# Altium PCB PCB-ZB206B-0B.PcbDoc (part 4 of 7)
Units mm, origin at the board's own origin, x right, y up, seen from the top; angles counter-clockwise.
Board outline 366.51 x 137.86 mm, 2 copper layers (Top Layer, Bottom Layer); 583 components, 415 nets, 1779 pads, 4554 vias.
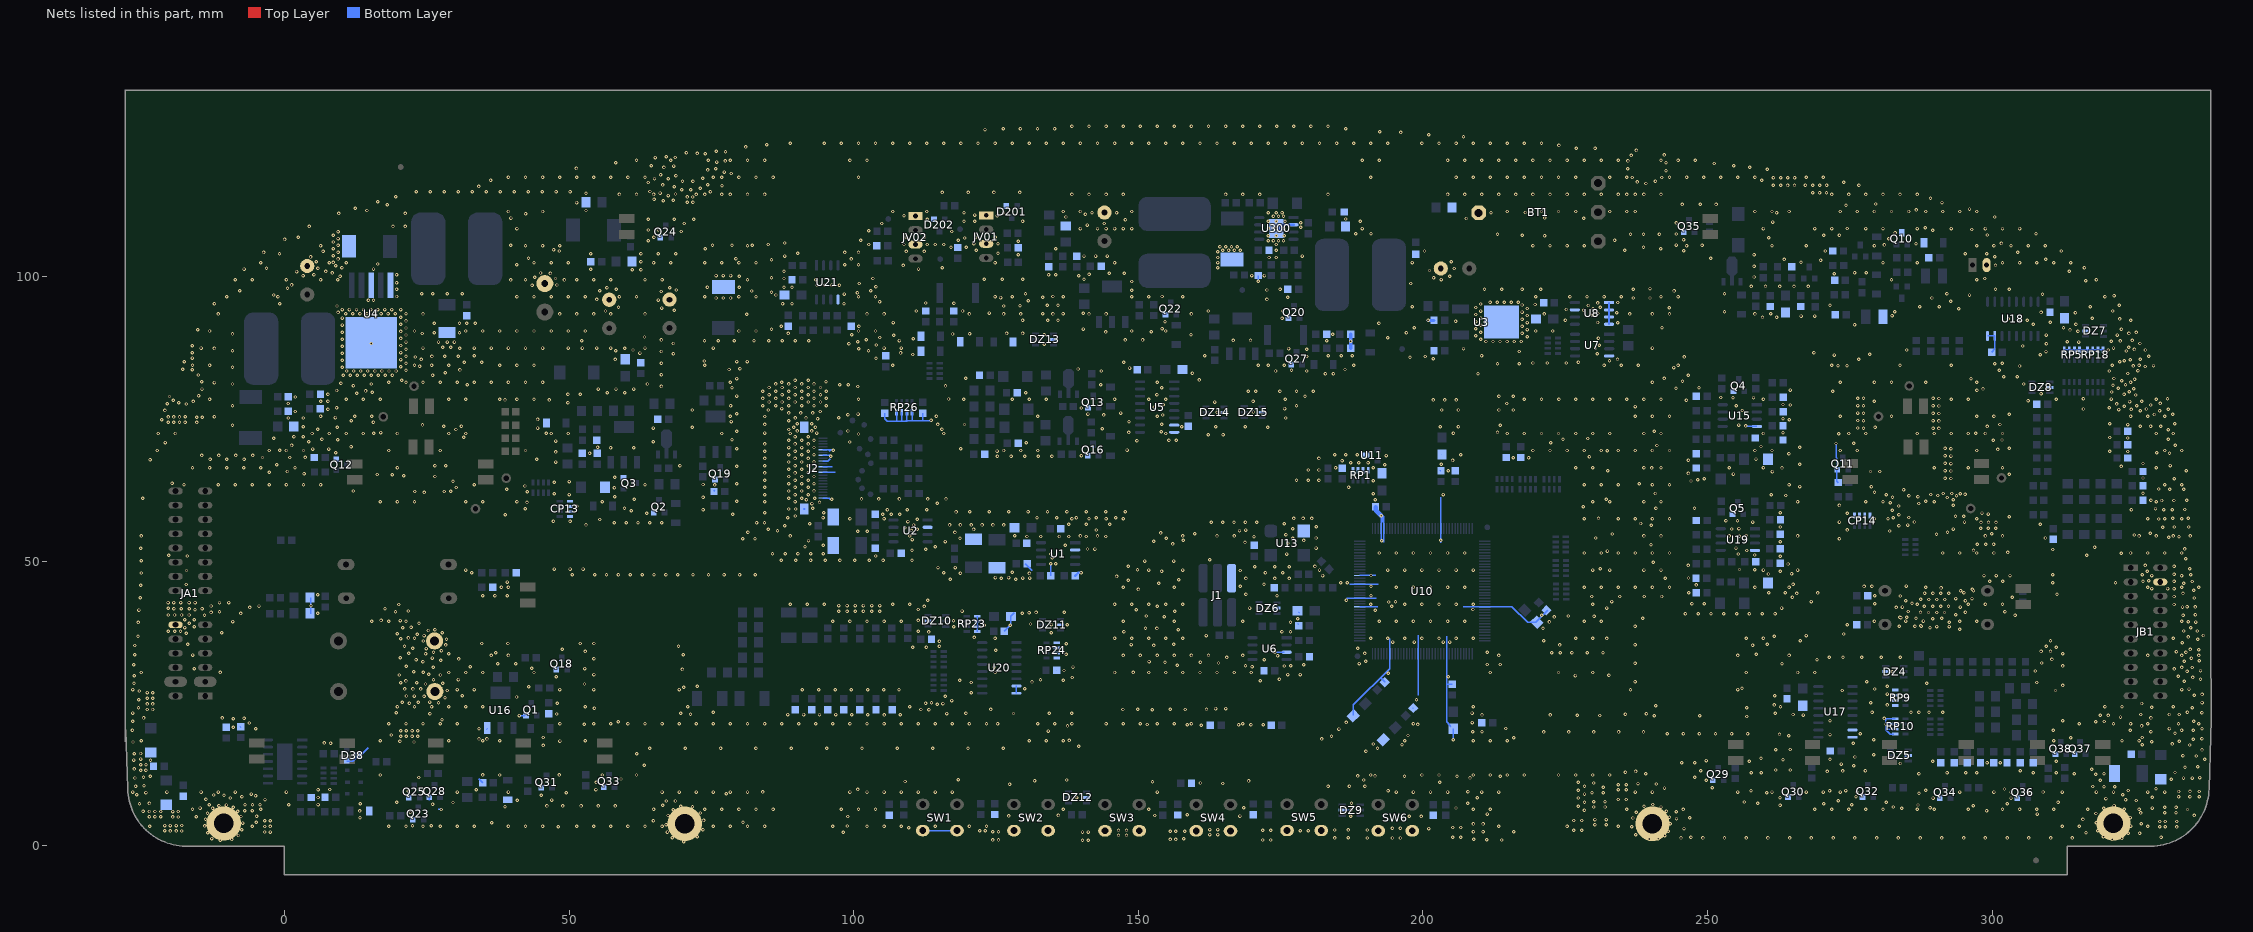
[diagram p4: the nets of this part, all layers, seen from the top]

## Via types
v1: diameter 0.6, hole 0.3, Top Layer to Bottom Layer, tented both sides, 4537 vias
v2: diameter 0.8, hole 0.3, Top Layer to Bottom Layer, 6 vias
v3: diameter 6, hole 3.4, Top Layer to Bottom Layer, 4 vias
v4: diameter 1, hole 0.5, Top Layer to Bottom Layer, tented both sides, 3 vias
v5: diameter 0.8, hole 0.4, Top Layer to Bottom Layer, 2 vias
v6: diameter 1, hole 0.3, Top Layer to Bottom Layer, 1 vias
v7: diameter 1, hole 0.5, Top Layer to Bottom Layer, 1 vias

## Nets (pads, with @x,y where several pads share a name; then routed paths per layer and width w, separated by ;. In a path a pad name is that pad's centre, name@x,y a point inside that pad or via, vN(x,y) a via of type N, cw(c..) or ccw(c..) an arc to the next point about the centre after c; other vN are vias at no path point) (continued)
GND: (continued)
  other v1: 70.13,0.71 -11.28,1.01 140.19,0.99 141.19,0.99 213.84,1.03 124.44,1.05 125.44,1.05 171.861,1.04 173.261,1.04 211.24,1.09 155.6,1.132 156.6,1.132 -9.28,1.14 321.1,1.14 208.93,1.17 239.78,1.2 241.35,1.26 -12.77,1.29 157.97,1.27 322.79,1.31 194.651,1.39 196.051,1.39 184.531,1.397 186.88,1.408 190.246,1.394 245.347,1.397 249.2,1.397 252.983,1.397 256.836,1.397 260.619,1.397 264.472,1.397 268.255,1.397 272.108,1.397 275.891,1.397 279.744,1.397 283.527,1.397 287.38,1.397 291.163,1.397 295.016,1.397 298.799,1.397 302.652,1.397 306.435,1.397 310.288,1.397 314.071,1.397 68.12,1.44 247.09,1.5 205.258,1.54 206.659,1.54 329.692,1.524 72.49,1.6 319.57,1.62 242.49,1.81 -8.1,1.83 146.52,1.84 147.92,1.84 237.38,1.96 162.569,1.99 163.97,1.99 325.92,2.2 323.91,2.23 316.5,2.29 -13.5,2.31 98.14,2.4 -2.51,2.43 67.27,2.43 140.19,2.43 141.19,2.43 -3.47,2.44 208.88,2.461 210.57,2.461 124.44,2.489 125.44,2.489 215.94,2.51 243.12,2.56 155.6,2.571 156.6,2.571 158.17,2.57 -20.06,2.63 -19.04,2.63 -18.07,2.62 -21.03,2.64 122.13,2.64 123.13,2.64 178.465,2.682 179.865,2.682 318.55,2.67 146.52,2.72 147.92,2.72 171.861,2.73 173.261,2.73 226.51,2.77 227.91,2.77 184.531,2.794 186.88,2.809 190.246,2.794 -7.5,2.84 73.51,2.86 162.569,2.87 163.97,2.87 245.87,3.04 201.041,3.048 194.651,3.08 196.051,3.08 109.69,3.2 205.258,3.23 206.659,3.23 48.1,3.34 330.44,3.34 332.43,3.33 236.72,3.37 329.47,3.35 -3.46,3.41 -2.52,3.42 -23.668,3.461 -5.668,3.461 18.332,3.461 21.332,3.461 24.332,3.461 27.332,3.461 30.332,3.461 33.332,3.461 39.332,3.461 42.332,3.461 45.332,3.461 51.332,3.461 54.332,3.461 57.332,3.461 60.332,3.461 63.332,3.461 66.332,3.461 75.332,3.461 78.332,3.461 81.332,3.461 84.332,3.461 96.332,3.461 102.332,3.461 105.332,3.461 108.332,3.461 114.332,3.461 120.332,3.461 123.332,3.461 213.332,3.461 225.332,3.461 234.332,3.461 312.332,3.461 315.332,3.461 327.332,3.461 98.85,3.49 324.35,3.48 -14.04,3.51 25.77,3.54 -21.03,3.57 -20.06,3.57 -19.05,3.57 22.479,3.556 -18.06,3.58 230.23,3.7 232.22,3.69 67.03,3.71 208.88,3.861 210.57,3.861 243.48,3.91 326.21,3.91 -7.37,4.01 36.38,4.07 318.28,4.06 80.54,4.14 -4.963,4.17 329.47,4.28 330.44,4.28 332.44,4.29 -3.46,4.43 -2.52,4.43 64.81,4.44 226.51,4.46 227.91,4.46 73.62,4.47 230.23,4.63 232.21,4.63 -13.89,4.66 315.96,4.65 244.55,4.8 13.25,4.92 236.9,4.9 246.89,4.94 324.28,4.98 243.33,5.05 -22.77,5.1 -21.75,5.1 -19.64,5.09 -18.67,5.08 -23.74,5.11 -15.49,5.12 -7.66,5.17 98.94,5.17 -4.92,5.2 197.61,5.2 199.69,5.18 187.325,5.207 167.85,5.24 127.23,5.27 130.94,5.31 67.38,5.34 135.97,5.35 152.908,5.334 335.53,5.35 158.623,5.461 211.31,5.59 307.94,5.59 318.25,5.69 -13.54,5.76 73.03,5.78 326.12,5.79 330.33,5.83 332.32,5.82 22.073,5.867 237.5,5.92 244.49,6 -19.65,6.03 -23.74,6.04 -22.77,6.04 -21.76,6.04 -18.66,6.04 242.79,6.07 -24.86,6.1 -8.21,6.11 13.233,6.147 -6.987,6.19 -5.673,6.19 299.04,6.18 228.38,6.27 68.28,6.37 334.33,6.39 245.72,6.41 323.2,6.43 -16.168,6.461 -4.168,6.461 64.832,6.461 73.832,6.461 76.832,6.461 79.832,6.461 82.832,6.461 85.832,6.461 97.832,6.461 100.832,6.461 103.832,6.461 136.832,6.461 151.832,6.461 208.832,6.461 211.832,6.461 235.832,6.461 268.832,6.461 271.832,6.461 274.832,6.461 277.832,6.461 280.832,6.461 286.832,6.461 289.832,6.461 295.832,6.461 301.832,6.461 304.832,6.461 307.832,6.461 310.832,6.461 316.832,6.461 325.832,6.461 -12.65,6.6 284.12,6.61 319.64,6.6 -14.84,6.65 205.816,6.655 328.13,6.65 168.5,6.69 289.11,6.69 330.33,6.77 -9,6.79 332.33,6.78 241.83,6.82 230.02,6.84 232.01,6.83 282.63,6.83 38.735,6.858 71.68,6.89 227.31,6.95 238.85,6.94 69.63,6.98 46.094,7.023 48.862,7.023 52.094,7.023 55.094,7.023 58.094,7.023 296.68,7.04 -11.53,7.07 321.44,7.08 66.46,7.13 262.75,7.14 -10.21,7.17 286.98,7.19 -13.23,7.21 -6.943,7.22 -5.63,7.22 -4.317,7.22 0.75,7.25 275.35,7.24 5.893,7.264 240.38,7.27 26.01,7.341 13.29,7.38 -25.48,7.39 270.42,7.4 302.66,7.39 -23.74,7.46 187.452,7.493 207.9,7.5 258.83,7.51 29.591,7.62 19.71,7.65 228.4,7.67 281.42,7.67 311.6,7.68 256.46,7.71 230.02,7.77 232,7.77 67.08,7.89 68.67,7.89 273,7.92 325.33,7.98 40.894,8.001 46.95,8.05 323.46,8.09 -3.43,8.14 234.329,8.15 235.73,8.15 -13.81,8.21 320.01,8.31 -9.56,8.41 227.29,8.42 289.636,8.407 303.327,8.407 139.21,8.45 209.525,8.458 262.738,8.458 5.893,8.509 328.15,8.54 276.098,8.611 332.77,8.62 334.76,8.61 336.4,8.63 -7.49,8.64 -5.09,8.79 -10.64,8.91 45.085,8.89 -12.46,8.94 -25.95,9 322.95,9.01 -5.83,9.11 228.4,9.11 77.61,9.17 287.17,9.23 49.479,9.347 229.71,9.36 231.7,9.35 260.43,9.36 -24.36,9.37 -26.668,9.461 -20.668,9.461 -14.668,9.461 -11.668,9.461 -8.668,9.461 0.332,9.461 30.332,9.461 39.332,9.461 66.332,9.461 69.332,9.461 72.332,9.461 75.332,9.461 78.332,9.461 81.332,9.461 99.332,9.461 102.332,9.461 105.332,9.461 108.332,9.461 111.332,9.461 114.332,9.461 117.332,9.461 153.332,9.461 195.332,9.461 198.332,9.461 201.332,9.461 204.332,9.461 210.332,9.461 213.332,9.461 237.332,9.461 240.332,9.461 255.332,9.461 261.332,9.461 267.332,9.461 270.332,9.461 273.332,9.461 276.332,9.461 294.332,9.461 300.332,9.461 303.332,9.461 306.332,9.461 312.332,9.461 318.332,9.461 321.332,9.461 327.332,9.461 330.332,9.461 84,9.48 207.91,9.49 308.96,9.47 332.77,9.56 334.77,9.57 336.4,9.56 21.717,9.601 257.65,9.67 271.45,9.67 193.878,9.677 274.29,9.72 323.93,9.74 288.33,9.77 227.31,9.8 234.329,9.84 235.73,9.84 33.655,9.855 5.893,9.881 54.71,9.9 7.925,9.906 100.69,9.92 302.18,9.99 328.803,10.033 242.45,10.16 250.85,10.236 231.69,10.29 319.659,10.414 321.564,10.414 317.71,10.44 -26.17,10.48 183.34,10.48 187.096,10.465 228.4,10.48 189.814,10.49 -24.7,10.59 234.329,10.72 235.73,10.72 127.38,10.83 241.02,10.88 237.79,10.95 164.86,10.97 160.909,11.049 229.997,11.049 54.76,11.15 202.95,11.17 227.31,11.19 152.49,11.27 109.02,11.31 169.37,11.41 131.775,11.43 249.809,11.557 319.024,11.557 137.414,11.582 189.586,11.582 118.364,11.633 331.47,11.684 59.106,11.76 -26.29,11.93 333.64,11.92 335.19,11.92 208.28,11.938 336.5,12 23.571,12.014 -24.78,12.07 247.777,12.065 205.994,12.217 -23.61,12.24 196.774,12.243 213.614,12.243 188.544,12.294 191.592,12.294 16.832,12.461 37.832,12.461 55.832,12.461 61.832,12.461 190.832,12.461 199.832,12.461 202.832,12.461 208.832,12.461 211.832,12.461 214.832,12.461 217.832,12.461 223.832,12.461 226.832,12.461 229.832,12.461 232.832,12.461 34.823,12.471 48.285,12.471 318.23,12.58 239.141,12.7 287.147,12.7 314.452,12.7 319.659,12.7 292.1,12.827 295.402,12.827 297.307,12.827 307.213,12.827 311.277,12.827 257.683,12.852 259.436,12.852 332.14,12.9 235.585,12.954 237.363,13.081 271.018,13.081 273.77,13.17 248.793,13.208 277.749,13.208 304.927,13.208 -25.29,13.27 -24.36,13.27 262.001,13.335 264.541,13.335 317.5,13.462 -26.4,13.52 333.9,13.84 336.12,13.89 275.717,14.097 63.221,14.148 -25.29,14.24 -24.35,14.24 273.49,14.38 283.896,14.478 245.491,14.605 247.777,14.605 299.125,14.605 301.447,14.605 289.56,14.859 311.277,14.859 257.353,14.884 249.809,14.986 -26.48,15.08 -23.546,15.062 263.271,15.113 -25.29,15.25 271.526,15.24 337.35,15.24 259.41,15.418 275.91,15.62 335.87,15.8 333.53,15.86 279.197,16.002 -26.42,16.17 61.9,16.205 -25.3,16.24 283.921,16.358 189.992,16.637 336.88,16.86 262.001,16.891 264.55,16.93 192.024,17.145 64.186,17.17 70.396,17.17 76.606,17.17 82.817,17.17 89.027,17.17 95.237,17.17 101.448,17.17 107.658,17.17 113.868,17.17 120.078,17.17 126.289,17.17 139.548,17.501 45.466,17.653 334.73,17.72 196.33,17.76 326.39,17.78 191.262,17.907 331.65,17.92 8.09,18.05 275.59,18.034 6.98,18.09 -26.62,18.26 22.74,18.26 328.041,18.288 20.27,18.38 332.9,18.39 48.387,18.415 -25.168,18.461 16.832,18.461 28.832,18.461 34.832,18.461 37.832,18.461 52.832,18.461 130.832,18.461 133.832,18.461 136.832,18.461 196.832,18.461 208.832,18.461 211.832,18.461 214.832,18.461 310.832,18.461 322.832,18.461 325.832,18.461 137.86,18.53 279.197,18.644 335.36,18.75 34.163,18.796 35.56,18.796 182.245,18.796 336.87,18.81 313.83,18.98 215.951,18.999 45.466,19.05 326.39,19.05 21.39,19.27 22.41,19.27 23.38,19.26 183.947,19.253 20.42,19.28 264.29,19.33 197.39,19.4 18.73,19.48 271.526,19.558 262.65,19.58 242.951,19.685 245.77,19.685 248.59,19.685 251.409,19.685 254.229,19.685 257.048,19.685 276.86,19.685 332.14,19.77 221.234,20.02 225.615,20.02 229.997,20.02 234.379,20.02 238.76,20.02 208.77,20.04 210.388,20.041 327.914,20.066 134.16,20.17 20.42,20.21 21.39,20.21 22.4,20.21 23.39,20.22 -26.73,20.3 324.29,20.3 333.3,20.3 335.37,20.3 310.769,20.32 185.242,20.523 -5.08,20.574 34.163,20.574 331.16,20.61 336.88,20.6 214.579,20.625 -9.017,20.828 137.56,21.08 326.263,21.082 161.036,21.209 167.615,21.26 169.786,21.26 171.958,21.26 158.62,21.28 151.55,21.33 199.085,21.336 52.68,21.36 125.273,21.438 18.332,21.461 21.332,21.461 24.332,21.461 27.332,21.461 30.332,21.461 48.387,21.463 54.332,21.461 57.332,21.461 60.332,21.461 63.332,21.461 66.332,21.461 69.332,21.461 72.332,21.461 75.332,21.461 78.332,21.461 81.332,21.461 84.332,21.461 87.332,21.461 90.332,21.461 93.332,21.461 96.332,21.461 99.332,21.461 102.332,21.461 105.332,21.461 108.332,21.461 111.332,21.461 114.332,21.461 117.332,21.461 120.332,21.461 123.332,21.461 132.332,21.461 135.332,21.461 138.332,21.461 144.332,21.461 147.332,21.461 150.332,21.461 153.332,21.461 156.332,21.461 159.332,21.461 168.332,21.461 198.332,21.461 315.332,21.461 321.332,21.461 324.332,21.461 327.332,21.461 332.76,21.48 336.332,21.461 -6.223,21.59 186.512,21.692 58.61,21.82 318.24,21.83 319.71,21.85 -26.68,21.91 335.46,21.9 271.526,21.971 312.42,21.971 27.66,22.16 -9.017,22.352 281.06,22.4 -7.108,22.427 -24.765,22.479 -10.922,22.479 327.914,22.479 322.57,22.63 256.921,22.733 240.665,22.86 248.641,22.86 231.09,22.91 320.39,22.92 227.14,22.95 318.99,22.94 266.827,22.987 105.35,23.01 108.19,23.03 210.388,23.012 222.352,23.012 99.63,23.05 88.392,23.07 91.186,23.07 93.98,23.07 96.84,23.07 102.48,23.06 265.04,23.08 326.136,23.081 331.16,23.081 332.87,23.09 71.32,23.11 235.585,23.114 47.83,23.18 25.54,23.23 116.32,23.25 239.268,23.241 128.067,23.266 69.6,23.31 138.303,23.292 261.9,23.29 119.71,23.33 134.341,23.317 -26.68,23.34 208.64,23.34 19.62,23.37 336.87,23.39 334.32,23.46 75.311,23.495 278.917,23.495 285.75,23.495 287.147,23.495 288.925,23.495 291.338,23.495 113.21,23.94 152.46,23.94 -24.12,23.97 -23.19,23.97 111.81,23.96 147.3,23.96 158.23,23.96 124.079,23.978 161.98,23.98 149.89,24 155.59,24.03 163.576,24.13 165.354,24.13 54.44,24.17 256.921,24.257 -25.66,24.28 335.18,24.29 328.041,24.384 19.832,24.461 22.832,24.461 25.832,24.461 28.832,24.461 31.832,24.461 34.832,24.461 52.832,24.461 70.832,24.461 109.832,24.461 208.832,24.461 262.832,24.461 319.832,24.461 322.832,24.461 331.832,24.461 240.919,24.638 261.747,24.765 281.559,24.765 114.66,24.9 -24.12,24.94 -23.18,24.94 115.67,25.01 326.263,25.019 112.62,25.04 21.94,25.08 47.92,25.07 113.67,25.14 27.051,25.146 278.663,25.146 336.9,25.18 20.66,25.23 23.47,25.23 25.527,25.273 117.221,25.527 198.882,25.654 -25.6,25.7 -24.12,25.95 -23.18,25.96 28.194,26.035 40.767,26.162 24.511,26.289 116.078,26.289 22.79,26.32 21.41,26.34 31.24,26.37 261.83,26.38 335.54,26.45 336.9,26.61 281.559,26.67 -24.13,26.94 -23.17,26.93 120.65,26.924 -25.55,27.21 28.575,27.305 273.685,27.305 311.15,27.305 90.932,27.432 93.853,27.432 96.774,27.432 99.568,27.432 102.489,27.432 105.283,27.432 107.95,27.432 236.474,27.432 -26.668,27.461 30.332,27.461 33.332,27.461 48.332,27.461 54.332,27.461 69.332,27.461 255.332,27.461 333.332,27.461 334.6,27.55 279.4,27.559 21.11,27.58 22.55,27.58 23.92,27.58 130.073,27.635 256.06,27.71 70.12,27.86 42.926,27.94 72.517,28.067 281.559,28.067 312.42,28.194 24.765,28.448 52.705,28.448 27.813,28.575 288.544,28.575 -26.45,28.6 20.39,28.67 23.24,28.67 120.65,28.702 307.848,28.702 131.318,28.804 237.275,28.829 278.003,28.829 333.77,28.91 21.33,28.98 171.43,29.01 118.618,29.083 136.804,29.108 132.81,29.2 26.162,29.21 30.55,29.22 174.79,29.27 336.62,29.29 138.379,29.591 335.28,29.6 47.752,29.718 204.47,29.718 332.69,29.83 -26.43,29.89 226.8,29.92 232.69,29.97 20.14,30.02 27.39,30.02 54.356,30.099 176.276,30.099 178.435,30.099 25.34,30.17 193.929,30.353 -25.168,30.461 28.832,30.461 31.832,30.461 34.832,30.461 43.832,30.461 124.832,30.461 145.832,30.461 151.832,30.461 154.832,30.461 157.832,30.461 160.832,30.461 163.832,30.461 166.832,30.461 169.832,30.461 211.832,30.461 223.832,30.461 229.832,30.461 256.832,30.461 265.832,30.461 268.832,30.461 -11.303,30.48 149.1,30.48 24.35,30.51 22.72,30.62 282.448,30.607 334.26,30.66 307.594,30.734 336.62,30.8 136.95,30.82 69.9,31 332.02,31.09 -15.875,31.115 52.75,31.15 43.42,31.21 333.34,31.36 335.16,31.34 26.13,31.37 124.71,31.42 138.532,31.42 32.64,31.48 169.99,31.5 21.37,31.56 175.63,31.61 312.42,31.623 168.84,31.65 176.8,31.65 156.845,31.75 179.08,31.81 -26.48,31.84 211.328,31.877 213.614,31.877 263.1,31.98 37.465,32.004 40.64,32.004 188.83,32.03 237.275,32.089 164.084,32.131 308.737,32.131 154.686,32.258 160.909,32.258 24.31,32.35 151.892,32.385 189.95,32.43 333.75,32.43 336.42,32.54 27.46,32.61 172.11,32.69 23.11,32.73 269.24,32.73 310.515,32.766 30.58,32.85 54.356,32.893 335.03,32.98 25.96,33 20.35,33.07 165.53,33.11 271.399,33.147 273.812,33.147 277.114,33.147 280.543,33.147 283.845,33.147 174.47,33.39 36.332,33.461 39.332,33.461 147.332,33.461 150.332,33.461 153.332,33.461 156.332,33.461 159.332,33.461 162.332,33.461 168.332,33.461 213.332,33.461 255.332,33.461 264.332,33.461 327.332,33.461 333.332,33.461 336.332,33.461 -16.129,33.528 -26.34,33.57 70.03,33.57 258.572,33.655 137.312,33.68 24.78,33.76 28.829,33.782 312.42,33.782 189.77,33.82 21.8,33.85 37.084,33.909 222.631,33.909 224.155,33.909 226.187,33.909 228.854,33.909 231.648,33.909 334.06,34.02 26.162,34.036 211.328,34.036 332.39,34.13 52.832,34.163 308.61,34.163 310.261,34.163 27.559,34.29 124.96,34.35 336.29,34.48 334.84,34.52 48.768,34.544 24.892,34.671 188.58,34.71 22.51,34.74 110.363,34.925 112.776,34.925 311.277,34.925 69.215,35.052 115.062,35.052 309.499,35.052 21.08,35.09 -26.34,35.21 152.7,35.22 257.92,35.27 28.321,35.306 224.028,35.306 237.275,35.348 148.74,35.37 -17.018,35.433 156.21,35.433 260.477,35.433 137.338,35.509 34.671,35.56 39.243,35.56 51.943,35.56 54.356,35.56 333.41,35.71 194.691,35.814 198.501,35.814 203.581,35.814 204.724,35.814 115.062,35.941 24.384,36.006 221.234,36.068 266.319,36.068 310.261,36.068 336.14,36.31 28.448,36.322 20.43,36.4 22.832,36.461 124.832,36.461 145.832,36.461 148.832,36.461 151.832,36.461 154.832,36.461 157.832,36.461 190.832,36.461 193.832,36.461 196.832,36.461 199.832,36.461 202.832,36.461 205.832,36.461 208.832,36.461 226.832,36.461 229.832,36.461 232.283,36.449 256.832,36.461 259.832,36.461 331.832,36.461 21.76,36.54 121.2,36.63 334.46,36.71 -25.75,36.81 261.747,36.83 24.511,36.957 161.925,36.957 267.335,36.957 337.14,36.96 23.3,37.21 273.92,37.23 19.78,37.28 -17.272,37.338 134.68,37.44 -11.049,37.465 27.686,37.465 113.157,37.592 147.47,37.61 175.235,37.643 176.733,37.643 -20.447,37.719 -19.304,37.719 -18.288,37.719 111.35,37.719 333.66,37.76 336.07,37.76 25.273,37.846 157.03,37.95 26.416,37.973 294.34,38.08 153.27,38.21 151.257,38.227 221.107,38.227 20.76,38.32 289.1,38.34 334.93,38.33 -17.526,38.354 22.23,38.4 -15.875,38.481 117.55,38.48 290.27,38.53 292.47,38.53 283.67,38.6 286.45,38.6 287.55,38.6 237.275,38.608 287.49,38.66 122.94,38.78 127.5,38.76 134.73,38.88 137.541,38.862 274.574,38.862 131.064,38.989 -16.764,39.116 23.622,39.116 -25.7,39.26 176.733,39.268 292.47,39.31 335.8,39.32 222.23,39.35 334.48,39.37 -9.08,39.41 15.332,39.461 18.332,39.461 21.332,39.461 96.332,39.461 99.332,39.461 102.332,39.461 105.332,39.461 108.332,39.461 147.332,39.461 156.332,39.461 168.332,39.461 192.332,39.461 195.332,39.461 198.332,39.461 201.332,39.461 204.332,39.461 207.332,39.461 228.332,39.461 231.332,39.461 279.332,39.461 294.332,39.461 297.332,39.461 333.332,39.461 284.83,39.5 287.94,39.5 20.33,39.59 16.96,39.61 111.35,39.61 -17.526,39.751 -15.875,39.751 289.56,39.89 178.03,39.903 238.633,40.005 286.64,40.02 291.17,40.02 283.99,40.08 283.8,40.15 285.03,40.15 223.1,40.23 154.559,40.259 230.08,40.37 151.384,40.386 225.552,40.386 -14.06,40.52 220.87,40.53 304.038,40.513 333.56,40.54 -20.41,40.56 -19.32,40.56 -18.09,40.56 -16.77,40.56 293.63,40.6 335.73,40.61 246.126,40.767 248.376,40.767 250.625,40.767 252.875,40.767 255.125,40.767 257.375,40.767 259.624,40.767 261.874,40.767 -7.7,40.84 5.842,40.869 129.6,40.89 130.81,40.95 288.83,41 290.27,41 291.64,41 -12.91,41.02 132.04,41.02 287.43,41.02 136.982,41.046 295.32,41.05 -11.43,41.145 19.49,41.15 302.26,41.148 285.29,41.18 97.39,41.22 98.83,41.22 100.269,41.22 101.709,41.22 103.149,41.22 104.588,41.22 119.04,41.26 156.41,41.25 21.717,41.275 191.643,41.402 -25.59,41.432 -15.74,41.51 149.66,41.5 111.35,41.54 208.788,41.529 -19.44,41.65 -18.15,41.65 -16.73,41.65 -14.49,41.66 17.653,41.656 -20.43,41.73 172.74,41.768 169.545,41.783 232.283,41.783 263.017,41.783 -6.12,41.9 283.15,41.9 284.25,41.96 294.41,41.96 333.46,41.96 335.69,41.99 334.26,42.02 112.39,42.07 153.33,42.08 288.11,42.09 290.96,42.09 292.35,42.09 194.55,42.12 289.58,42.11 -12.91,42.15 -4.49,42.14 4.64,42.2 97.39,42.22 98.83,42.22 100.269,42.22 101.709,42.22 103.149,42.22 104.588,42.22 20.066,42.418 331.978,42.418 88.832,42.461 91.832,42.461 94.832,42.461 106.832,42.461 109.832,42.461 145.832,42.461 148.832,42.461 151.832,42.461 154.832,42.461 157.832,42.461 190.832,42.461 196.832,42.461 199.832,42.461 202.832,42.461 205.832,42.461 208.832,42.461 229.832,42.461 286.832,42.461 295.832,42.461 298.832,42.461 301.832,42.461 247.269,42.545 249.428,42.545 279.4,42.545 285.93,42.61 -20.47,42.745 -19.46,42.745 -18.25,42.745 -16.78,42.745 -15.72,42.745 -11.43,42.745 -9.779,42.745 194.02,42.85 195.19,42.9 233.172,42.926 268.224,42.926 284.83,43.06 295.32,43.06 113.03,43.18 186.563,43.18 288.86,43.29 290.3,43.29 291.67,43.29 287.46,43.31 293.63,43.45 296.48,43.45 335.54,43.55 -25.36,43.603 264.922,43.688 303.53,43.688 229.65,43.81 234.569,43.815 238.887,43.815 241.935,43.815 331.978,43.815 283.86,43.9 34.798,43.942 36.957,43.942 39.116,43.942 174.371,43.942 190.881,43.942 279.4,43.942 5.842,44.12 168.91,44.196 311.404,44.196 265.67,44.36 333.55,44.36 288.14,44.38 290.99,44.38 292.38,44.38 289.61,44.4 263.68,44.46 269.367,44.45 246.685,44.475 295.06,44.48 260.756,44.501 294.47,44.81 296.74,44.81 335.41,44.94 150.02,45.06 296.54,45.07 331.98,45.18 328.041,45.212 330.835,45.212 291.04,45.32 38.1,45.466 39.332,45.461 147.332,45.461 156.332,45.461 195.332,45.461 198.332,45.461 201.332,45.461 204.332,45.461 207.332,45.461 228.332,45.461 231.332,45.461 234.332,45.461 237.332,45.461 240.332,45.461 243.332,45.461 258.332,45.461 264.332,45.461 288.332,45.461 327.332,45.461 333.332,45.461 336.332,45.461 167.894,45.593 190.881,45.593 277.51,45.59 278.892,45.593 284.9,45.65 -25.25,45.775 248.031,45.847 -17.247,45.923 172.085,45.974 265.04,45.97 153.57,46.17 333.66,46.15 185.547,46.228 186.69,46.228 310.642,46.228 321.691,46.228 39.116,46.355 335.16,46.45 299.593,46.482 301.879,46.482 326.517,46.482 331.978,46.482 327.533,46.609 148.22,46.69 157.08,46.76 116.967,46.863 128.47,46.87 168.91,46.99 173.99,46.99 176.53,46.99 242.6,47.02 125.9,47.04 129.68,47.06 130.95,47.06 246.659,47.066 124.9,47.14 127.21,47.14 146.177,47.346 333.3,47.45 182.372,47.498 298.577,47.498 300.736,47.498 303.149,47.498 328.041,47.498 50.546,47.625 54.483,47.625 56.569,47.625 58.656,47.625 60.742,47.625 62.829,47.625 64.915,47.625 67.002,47.625 69.088,47.625 71.755,47.625 74.486,47.625 77.216,47.625 79.947,47.625 82.677,47.625 310.642,47.625 326.39,47.625 334.92,47.64 331.978,47.752 260.706,47.777 264.77,47.84 130.87,47.87 118.745,47.879 -25.2,47.946 32.893,48.006 115.824,48.006 172.339,48.006 175.387,48.006 127.85,48.09 154.09,48.25 262.763,48.26 327.279,48.26 -17.221,48.387 167.894,48.387 31.832,48.461 151.832,48.461 157.832,48.461 181.832,48.461 193.832,48.461 196.832,48.461 199.832,48.461 202.832,48.461 205.832,48.461 208.832,48.461 229.832,48.461 232.832,48.461 238.832,48.461 241.832,48.461 259.832,48.461 265.832,48.461 149.86,48.514 258.318,48.514 255.626,48.565 47.371,48.641 50.165,48.641 52.451,48.641 231.17,48.67 334.75,48.68 114.808,48.895 117.856,48.895 170.434,49.022 173.99,49.022 176.53,49.022 181.03,49.1 148.209,49.149 331.978,49.149 246.634,49.276 326.898,49.276 264.16,49.53 135.49,49.58 240.46,49.83 151.13,50.038 156.21,50.038 -25.2,50.118 87.249,50.165 89.831,50.165 92.414,50.165 94.996,50.165 97.578,50.165 100.161,50.165 102.743,50.165 105.156,50.165 110.236,50.165 162.56,50.292 334.03,50.44 134.87,50.65 262.763,50.876 -17.094,50.927 103.886,50.927 316.611,51.067 -20.371,51.079 258.318,51.105 176.09,51.27 134.62,51.29 255.397,51.285 85.725,51.308 87.96,51.308 90.195,51.308 92.431,51.308 94.666,51.308 322.707,51.435 192.332,51.461 195.332,51.461 198.332,51.461 201.332,51.461 204.332,51.461 207.332,51.461 228.332,51.461 231.332,51.461 234.332,51.461 237.332,51.461 240.332,51.461 243.332,51.461 291.332,51.461 294.332,51.461 297.332,51.461 300.332,51.461 324.332,51.461 327.332,51.461 330.332,51.461 333.332,51.461 302.768,51.562 232.42,51.8 256.896,51.892 296.74,51.91 110.236,51.943 310.642,52.07 112.649,52.095 142.38,52.15 141.07,52.17 333.83,52.18 -25.273,52.29 181.229,52.324 255.016,52.324 318.008,52.451 91.44,52.578 114.3,52.578 94.666,52.832 137.16,52.832 240.08,52.89 297.42,52.98 298.89,53 300.27,52.98 156.07,53.05 176.25,53.17 168.74,53.32 262.763,53.416 116.078,53.467 152.72,53.53 192.786,53.594 92.05,53.645 179.045,53.67 157.89,53.72 110.298,53.818 82.652,53.95 80.518,53.975 273.177,53.975 154.92,54.04 118.669,54.077 177.114,54.077 181.229,54.102 230.36,54.1 309.372,54.102 331.04,54.23 170.332,54.305 332.84,54.32 130.429,54.356 132.842,54.356 136.144,54.356 137.795,54.356 140.843,54.356 144.272,54.356 255.61,54.38 -25.168,54.461 88.832,54.461 109.832,54.461 139.832,54.461 142.832,54.461 157.832,54.461 163.832,54.461 166.832,54.461 238.832,54.461 241.832,54.461 253.832,54.461 256.832,54.461 265.832,54.461 298.832,54.461 301.832,54.461 325.832,54.461 328.832,54.461 331.832,54.461 334.832,54.461 128.27,54.483 324.99,54.63 175.94,54.69 290.24,54.78 233.28,54.8 159.94,54.82 299.95,54.86 327.81,54.94 153.924,54.991 117.78,55.08 81.407,55.118 292.17,55.13 102.362,55.27 100.711,55.296 282.03,55.33 86.614,55.372 167.78,55.4 110.098,55.428 168.86,55.49 142.621,55.499 274.574,55.519 121.056,55.601 84.963,55.626 111.15,55.626 254.27,55.67 293.16,55.66 177.114,55.728 255.524,55.753 298.017,55.8 299.33,55.8 300.643,55.8 108.938,55.878 329.98,56 262.763,56.032 332.01,56.03 334.58,56.03 181.24,56.06 283.64,56.25 87.884,56.261 240.13,56.32 110.518,56.368 285.17,56.37 52.959,56.388 116.84,56.388 118.745,56.388 120.65,56.388 122.555,56.388 124.46,56.388 126.365,56.388 144.99,56.5 137.795,56.515 140.843,56.515 308.483,56.515 175.65,56.6 92.278,56.617 238.25,56.64 57.939,56.769 60.016,56.769 62.093,56.769 64.169,56.769 66.246,56.769 82.931,56.769 84.328,56.769 298.06,56.83 299.373,56.83 300.687,56.83 162.82,56.87 164.819,56.87 166.817,56.87 168.816,56.87 170.815,56.87 295.15,56.89 257.937,56.896 273.177,56.896 286.36,56.91 109.528,56.978 47.244,57.023 50.165,57.023 253.238,57.15 255.27,57.15 55.372,57.35 111.15,57.408 329.3,57.43 99.332,57.461 105.332,57.461 138.332,57.461 141.332,57.461 144.332,57.461 147.332,57.461 228.332,57.461 234.332,57.461 237.332,57.461 240.332,57.461 243.332,57.461 279.332,57.461 297.332,57.461 327.332,57.461 330.332,57.461 333.332,57.461 281.71,57.49 177.292,57.531 178.943,57.531 180.467,57.531 230.86,57.53 331.72,57.57 334.49,57.57 282.64,57.65 88.392,57.658 94.615,57.658 132.207,57.658 135.668,57.658 139.129,57.658 142.589,57.658 146.05,57.658 285.37,57.7 303.022,57.842 293.57,57.94 295.03,57.94 89.738,57.963 283.64,58.17 38.76,58.19 105.092,58.243 106.585,58.243 108.077,58.243 78.74,58.293 299.35,58.3 63.652,58.42 274.574,58.42 298.23,58.48 84.378,58.557 94.742,58.547 262.788,58.547 117.983,58.674 120.396,58.73 123.809,58.73 127.222,58.73 130.635,58.73 134.048,58.73 137.462,58.73 140.875,58.73 144.288,58.73 147.701,58.73 60.9,58.89 282.45,58.99 73.533,59.06 105.918,59.055 109.385,59.055 112.852,59.055 324.485,59.055 330.15,59.05 331.64,59.05 333.83,59.11 88.569,59.192 89.839,59.195 42.29,59.25 328.71,59.27 59.72,59.3 92.786,59.309 240.94,59.32 247.72,59.34 228.18,59.61 51.308,59.69 283.62,59.72 273.177,59.817 293.16,59.87 92.659,60.147 287.14,60.16 114.681,60.198 282.09,60.3 42.59,60.35 93.98,60.35 84.378,60.441 89.698,60.442 16.832,60.461 19.832,60.461 22.832,60.461 31.832,60.461 34.832,60.461 40.832,60.461 55.832,60.461 229.832,60.461 232.832,60.461 238.832,60.461 241.832,60.461 265.832,60.461 277.832,60.461 280.832,60.461 289.832,60.461 328.832,60.461 79.45,60.55 288.37,60.57 329.78,60.68 331.95,60.68 327.914,60.706 334.23,60.71 293.16,60.8 91.694,60.808 191.643,60.833 61.45,60.88 96.139,60.884 232.2,60.89 101.371,60.96 104.394,60.96 108.026,60.96 113.03,60.96 116.205,60.96 88.569,61.076 90.855,61.077 -24.892,61.087 93.141,61.088 292.11,61.21 282.51,61.25 73.533,61.28 286.97,61.33 58.039,61.341 285.39,61.5 293.75,61.5 290.47,61.56 263.754,61.57 261.188,61.671 281.4,61.68 84.378,61.714 89.698,61.715 91.998,61.715 50.038,61.722 203.581,61.722 289.24,61.74 295.26,61.8 47.371,61.849 191.262,61.849 294.39,61.85 240.85,61.91 291.41,61.91 292.93,61.91 326.517,61.976 24.55,62.1 279.34,62.14 42.62,62.2 22.85,62.26 28.04,62.26 29.21,62.33 88.569,62.349 90.855,62.35 12.065,62.357 93.014,62.367 284.45,62.56 39.02,62.64 331.22,62.67 333.67,62.67 329.29,62.71 57.961,62.946 30.19,62.97 84.378,62.987 89.698,62.987 91.998,62.987 186.944,62.992 266.2,63.13 278.8,63.12 42.23,63.23 75.565,63.42 -17.668,63.461 -11.668,63.461 -8.668,63.461 -5.668,63.461 -2.668,63.461 0.332,63.461 3.332,63.461 6.332,63.461 33.332,63.461 63.332,63.461 228.332,63.461 231.332,63.461 234.332,63.461 240.332,63.461 243.332,63.461 264.332,63.461 330.332,63.461 333.332,63.461 73.533,63.5 79.45,63.63 88.569,63.622 90.855,63.622 93.014,63.637 237.99,63.64 -19.761,63.703 47.371,63.881 50.038,64.008 29.59,64.07 247.1,64.11 191.262,64.135 84.378,64.26 89.698,64.26 91.998,64.26 177.8,64.262 179.832,64.262 181.737,64.262 248.27,64.35 332.01,64.48 249.45,64.52 292.77,64.547 291.74,64.59 326.517,64.636 58.039,64.77 26.416,64.897 88.569,64.895 90.855,64.895 93.014,64.907 20.95,65.02 18.94,65.21 16.31,65.25 303.022,65.278 254.56,65.33 3.429,65.405 246.65,65.44 84.378,65.533 89.698,65.533 91.998,65.533 -2.667,65.659 261.41,65.77 0.508,65.786 278.638,65.786 280.289,65.786 292.77,65.86 291.74,65.903 204.47,65.913 232.5,65.92 334.137,65.913 179.832,66.04 181.737,66.04 88.569,66.168 90.855,66.168 93.014,66.186 240.22,66.41 263.09,66.41 184.66,66.421 191.262,66.421 -16.168,66.461 -13.168,66.461 -10.168,66.461 -7.168,66.461 -4.168,66.461 1.832,66.461 19.832,66.461 226.832,66.461 229.832,66.461 238.832,66.461 241.832,66.461 253.832,66.461 259.832,66.461 289.832,66.461 295.832,66.461 301.832,66.461 328.832,66.461 322.707,66.675 79.45,66.71 26.416,66.802 28.321,66.802 69.469,66.802 84.378,66.806 89.698,66.806 91.998,66.806 331.33,66.82 193.294,66.956 -1.35,66.98 203.2,67.056 266.2,67.07 292.77,67.173 326.517,67.183 291.74,67.217 187.325,67.31 188.722,67.31 190.373,67.31 47.625,67.437 88.569,67.441 90.855,67.441 93.014,67.456 185.801,67.691 205.21,67.72 246.65,67.76 -23.622,67.818 -13.081,67.945 -10.16,67.945 -7.112,67.945 44.323,67.945 258.52,67.96 84.378,68.079 89.698,68.079 91.998,68.079 181.737,68.072 215.9,68.199 218.567,68.199 -3.87,68.24 0.92,68.24 3.632,68.25 229.26,68.35 95.961,68.453 125.247,68.45 127.641,68.45 130.035,68.45 132.429,68.45 134.823,68.45 292.77,68.487 140.005,68.529 291.74,68.53 -14.567,68.598 -11.567,68.598 -8.567,68.598 -5.567,68.598 193.548,68.58 88.569,68.714 90.855,68.714 93.014,68.726 184.531,68.707 186.436,68.707 188.468,68.707 206.629,68.707 264.31,68.88 53.594,68.961 331.18,69 9.017,69.088 328.93,69.088 47.625,69.215 323.85,69.298 84.378,69.352 89.698,69.352 91.998,69.352 320.675,69.342 125.19,69.37 232.4,69.43 -2.668,69.461 0.332,69.461 3.332,69.461 18.332,69.461 27.332,69.461 42.332,69.461 126.332,69.461 129.332,69.461 132.332,69.461 219.332,69.461 222.332,69.461 225.332,69.461 228.332,69.461 231.332,69.461 234.332,69.461 237.332,69.461 240.332,69.461 243.332,69.461 258.332,69.461 261.332,69.461 273.332,69.461 276.332,69.461 297.332,69.461 330.332,69.461 333.332,69.461 -22.352,69.469 -0.84,69.5 96.393,69.52 148.031,69.545 301.01,69.66 4.953,69.723 7.747,69.723 79.45,69.79 118.796,69.774 292.77,69.8 291.74,69.843 303.022,69.842 57.277,69.977 61.341,69.977 88.569,69.987 90.855,69.987 93.014,70.002 54.991,70.03 266.2,70.05 11.684,70.104 259.4,70.17 241.12,70.35 1.23,70.36 332.18,70.41 84.378,70.625 89.698,70.625 91.998,70.625 272.58,70.7 275.7,70.73 130.302,70.815 222.46,70.83 -20.955,70.866 99.314,70.968 64.77,70.993 4.25,71.02 47.625,71.12 149.758,71.196 88.569,71.26 90.855,71.26 300.2,71.25 93.014,71.272 155.38,71.29 156.65,71.29 301.75,71.32 9.35,71.37 78.613,71.374 224.62,71.42 6.57,71.47 330.95,71.45 228.97,71.58 -1.905,71.628 323.85,71.66 320.675,71.755 31.5,71.81 1.651,71.882 3.302,71.882 89.698,71.898 91.998,71.898 162.29,72.23 164.897,72.212 100.838,72.365 273.04,72.4 -22.168,72.461 -19.168,72.461 4.832,72.461 7.832,72.461 10.832,72.461 13.832,72.461 15.69,72.48 19.832,72.461 28.832,72.461 31.832,72.461 46.832,72.461 49.832,72.461 76.832,72.461 88.832,72.461 115.832,72.461 154.832,72.461 214.832,72.461 217.832,72.461 220.832,72.461 223.832,72.461 226.832,72.461 229.832,72.461 232.832,72.461 238.832,72.461 241.832,72.461 259.832,72.461 274.832,72.461 277.832,72.461 286.832,72.461 289.832,72.461 292.832,72.461 295.832,72.461 298.832,72.461 301.832,72.461 328.832,72.461 331.832,72.461 45.974,72.517 84.378,72.527 93.522,72.527 205.359,72.517 297.11,72.52 263.271,72.568 16.88,72.62 148.336,72.644 213.106,72.644 154.05,72.74 79.45,72.87 240.64,72.87 90.093,72.908 92.633,72.908 98.984,72.898 330.95,73.11 30.11,73.16 88.569,73.162 5.82,73.19 115.5,73.2 143.662,73.304 290.66,73.347 277.41,73.377 289.63,73.39 44.45,73.406 64.77,73.406 276.38,73.42 71.628,73.533 89.458,73.543 93.268,73.534 172.72,73.533 279.45,73.54 9.26,73.56 163.601,73.635 3.302,73.66 157.63,73.66 168.783,73.66 203.073,73.66 206.248,73.66 299.17,73.7 31.08,73.72 326.037,73.73 327.844,73.73 329.65,73.73 27.95,73.75 -9.144,73.914 213.614,73.914 255.51,73.94 24.24,73.96 301.38,74.03 323.85,74.023 84.378,74.051 114.75,74.05 119.456,74.041 154.1,74.07 90.093,74.178 92.633,74.178 320.675,74.168 332.105,74.168 -15.41,74.4 -20.44,74.44 -19.47,74.43 -18.45,74.43 -17.48,74.42 15.61,74.44 148.36,74.54 78.486,74.549 290.66,74.66 88.569,74.686 277.41,74.69 11.72,74.7 289.63,74.703 276.38,74.733 -21.6,74.86 264.37,74.89 44.45,74.93 93.649,75.067 263.271,75.057 0.635,75.184 3.302,75.184 89.712,75.194 91.617,75.194 175.895,75.184 97.358,75.209 8.94,75.25 -15.41,75.33 -14.44,75.33 -20.44,75.37 -19.47,75.37 -18.46,75.37 -17.47,75.38 -12.319,75.407 84.378,75.439 6.332,75.461 12.332,75.461 15.332,75.461 78.332,75.461 132.332,75.461 153.332,75.461 237.332,75.461 240.332,75.461 243.332,75.461 273.332,75.461 282.332,75.461 297.332,75.461 300.332,75.461 324.332,75.461 327.332,75.461 330.332,75.461 114.53,75.49 154.28,75.7 143.942,75.717 98.984,75.743 328.53,75.79 303.022,75.842 331.76,75.86 100.76,75.87 141.148,75.87 79.45,75.95 290.66,75.973 277.41,76.003 289.63,76.017 146.939,76.048 276.38,76.047 88.569,76.074 90.686,76.074 92.803,76.074 163.83,76.2 170.23,76.24 1.905,76.327 94.107,76.327 326.05,76.43 329.43,76.43 256.13,76.49 -21.02,76.51 71.628,76.581 84.963,76.581 203.327,76.581 206.248,76.581 213.36,76.581 215.9,76.581 322.24,76.66 324.46,76.68 7.62,76.708 330.97,76.71 316.052,76.759 327.12,76.76 87.376,76.835 175.7,76.84 139.979,76.937 9.14,76.97 320.58,76.98 152.83,77.1 237.31,77.19 323.24,77.23 290.66,77.287 277.41,77.317 289.63,77.33 -9.144,77.343 78.359,77.343 83.997,77.346 86.283,77.347 88.569,77.347 90.855,77.347 93.014,77.356 95.173,77.356 177.8,77.343 255.07,77.34 276.38,77.36 325.4,77.35 264.55,77.46 327.89,77.46 154.36,77.53 263.271,77.546 -17.26,77.64 321.92,77.65 -20.62,77.68 0.635,77.724 214.757,77.724 329.53,77.74 -18.59,77.84 49.784,77.851 85.126,77.985 87.412,77.985 89.698,77.985 91.998,77.985 94.157,77.985 163.424,77.978 324.16,78.07 -16.02,78.09 6.35,78.105 7.62,78.105 170.16,78.12 326.3,78.12 279.3,78.14 306.324,78.232 246.3,78.28 -19.53,78.32 38.735,78.359 46.482,78.359 201.803,78.359 203.835,78.359 205.867,78.359 -13.168,78.461 10.832,78.461 13.832,78.461 16.832,78.461 28.832,78.461 31.832,78.461 37.832,78.461 40.832,78.461 43.832,78.461 100.832,78.461 119.329,78.461 127.832,78.461 130.832,78.461 133.832,78.461 145.832,78.461 151.832,78.461 154.832,78.461 175.832,78.461 217.832,78.461 220.832,78.461 226.832,78.461 229.832,78.461 232.832,78.461 235.832,78.461 238.832,78.461 241.832,78.461 259.832,78.461 292.832,78.461 295.832,78.461 328.832,78.461 223.901,78.486 311.277,78.486 320.93,78.5 116.662,78.511 316.052,78.562 330.82,78.56 290.66,78.6 83.997,78.619 86.283,78.62 88.569,78.62 90.855,78.62 93.014,78.626 95.173,78.626 277.41,78.63 289.63,78.643 276.38,78.673 254.483,78.715 252.34,78.78 258.089,78.765 1.905,78.867 -20.21,78.96 179.28,78.99 213.36,78.994 215.9,78.994 79.45,79.03 -15.11,79.07 325.23,79.22 85.126,79.257 87.412,79.258 89.698,79.258 91.998,79.258 94.157,79.258 153.27,79.25 7.62,79.375 49.784,79.375 51.943,79.375 323.19,79.37 308.61,79.43 12.7,79.502 56.674,79.629 59.785,79.629 130.226,79.629 15.4,79.69 321.05,79.74 324.08,79.79 83.997,79.892 86.283,79.892 88.569,79.893 90.855,79.893 93.014,79.896 95.173,79.896 169.32,79.883 170.65,79.883 174.879,79.883 177.8,79.883 180.721,79.883 272.034,79.883 14.24,79.94 9.144,80.01 297.34,80.05 264.55,80.09 -14.51,80.26 55.118,80.264 58.229,80.264 61.341,80.264 298.4,80.29 324.89,80.31 244.475,80.391 322.17,80.39 154.1,80.49 78.613,80.518 85.126,80.53 87.412,80.531 89.698,80.531 91.998,80.531 94.157,80.531 248.514,80.518 308.6,80.58 66.218,80.721 100.69,80.72 116.13,80.81 12.1,80.82 321.25,80.91 99.05,81.02 32.08,81.03 97.52,81.04 143.383,81.026 323.44,81.03 -9.144,81.156 15.25,81.15 63.754,81.153 86.283,81.165 88.569,81.166 90.855,81.166 93.014,81.166 305.562,81.153 9.906,81.28 -12.319,81.407 18.332,81.461 21.332,81.461 24.332,81.461 27.332,81.461 30.332,81.461 33.332,81.461 36.332,81.461 39.332,81.461 42.332,81.461 45.332,81.461 78.332,81.461 87.332,81.461 153.332,81.461 240.332,81.461 273.332,81.461 279.332,81.461 282.332,81.461 288.332,81.461 297.332,81.461 324.332,81.461 -14.54,81.53 95.123,81.534 245.618,81.661 322.77,81.7 89.698,81.804 91.998,81.804 20.59,81.81 160.73,81.87 325.04,81.98 79.45,82.11 296.3,82.1 242.4,82.13 321.41,82.12 119.7,82.17 302.04,82.42 304.419,82.423 10.289,82.677 11.526,82.677 12.764,82.677 14.002,82.677 15.24,82.677 16.478,82.677 17.716,82.677 18.954,82.677 26.01,82.69 246.634,82.677 -15.16,82.74 66.218,82.766 182.88,82.931 184.277,82.931 209.677,82.931 323.86,83 159.512,83.058 28.23,83.12 320.59,83.43 10.924,83.439 12.161,83.439 13.399,83.439 14.637,83.439 15.875,83.439 17.113,83.439 18.351,83.439 19.589,83.439 143.51,83.439 174.117,83.439 179.578,83.439 325.63,83.46 21.336,83.568 176.911,83.566 301.27,83.59 30.81,83.63 -16.21,83.64 78.105,83.693 186.309,83.693 -17.89,83.74 139.421,83.795 80.01,83.82 148.463,83.947 244.05,84.04 -9.144,84.086 10.12,84.076 20.42,84.203 326.89,84.22 23.72,84.28 304.83,84.31 324.8,84.33 272.93,84.35 274.51,84.35 328.37,84.39 -16.168,84.461 -13.168,84.461 22.832,84.461 25.832,84.461 28.832,84.461 37.832,84.461 40.832,84.461 43.832,84.461 73.832,84.461 106.832,84.461 171.069,84.455 172.832,84.461 175.641,84.455 187.832,84.461 231.832,84.461 234.832,84.461 237.832,84.461 244.832,84.461 271.832,84.461 283.832,84.461 292.832,84.461 321.11,84.46 325.832,84.461 213.106,84.709 216.916,84.709 300.45,84.72 301.78,84.78 21.336,84.805 66.218,84.811 219.329,84.836 221.869,84.836 225.171,84.836 147.447,84.963 227.33,84.963 31.59,84.99 34.66,84.99 -17.64,85.04 322.43,85.04 79.45,85.09 81.28,85.09 73.736,85.192 232.791,85.217 323.22,85.26 10.12,85.313 324.27,85.43 20.42,85.44 24.02,85.47 58.115,85.471 234.188,85.471 276.6,85.5 326.02,85.52 201.803,85.598 103.911,85.674 -16.22,85.71 197.739,85.852 22.96,85.9 245.91,85.91 179.578,85.979 200.406,85.979 25.89,86 21.336,86.043 327.51,86.03 28.16,86.05 30.53,86.05 33.35,86.1 183.388,86.106 185.674,86.106 187.579,86.106 210.312,86.106 161.671,86.131 272.288,86.233 308.48,86.28 110.388,86.335 278.511,86.36 230.609,86.445 68.326,86.487 10.12,86.551 62.433,86.589 108.23,86.61 -16.22,86.64 268.707,86.639 20.42,86.678 66.218,86.855 309.47,86.85 216.916,86.868 323.56,86.95 58.166,86.995 102.591,86.995 -9.144,87.016 61.214,87.122 284.988,87.122 320.421,87.122 326.95,87.13 325.01,87.23 179.578,87.249 21.336,87.281 100.863,87.325 176.403,87.376 207.137,87.376 -12.319,87.407 30.79,87.43 59.792,87.427 -14.668,87.461 24.332,87.461 33.332,87.461 36.332,87.461 39.332,87.461 42.332,87.461 45.332,87.461 49.84,87.461 52.337,87.461 54.835,87.461 57.332,87.461 63.332,87.461 75.332,87.461 105.332,87.461 108.332,87.461 230.332,87.461 240.332,87.461 321.332,87.461 324.02,87.59 27.813,87.63 29.21,87.63 10.12,87.789 305.4,87.83 -16.22,87.88 20.42,87.916 103.98,88 230.969,87.985 133.477,88.138 99.162,88.24 309.55,88.24 15.24,88.265 68.326,88.265 325.98,88.27 21.336,88.519 27.051,88.519 28.575,88.519 29.845,88.519 315.214,88.519 313.23,88.55 211.076,88.617 212.313,88.617 213.551,88.617 214.789,88.617 216.027,88.617 217.265,88.617 320.929,88.646 322.51,88.72 183.083,88.748 52.197,88.773 73.787,88.773 76.2,88.773 78.994,88.773 82.48,88.773 85.09,88.773 87.418,88.773 89.747,88.773 92.075,88.773 108.03,88.78 166.705,88.81 169.705,88.81 324.62,88.81 66.218,88.9 147.701,88.9 150.749,88.9 102.18,88.95 210.185,89.012 10.12,89.027 110.465,89.103 20.42,89.154 230.839,89.185 193.802,89.281 104.58,89.32 63.246,89.408 218.313,89.472 209.296,89.647 107.02,89.71 21.336,89.757 309.53,89.75 322,89.75 99.644,89.789 133.477,89.789 159.258,89.789 184.175,89.916 -9.144,89.946 117.37,89.94 120.35,89.96 24.19,90.03 88.519,90.043 126.85,90.04 129.67,90.04 324.05,90.04 217.424,90.075 26.289,90.17 30.734,90.17 197.104,90.17 325.34,90.21 10.12,90.265 210.185,90.25 144.272,90.297 152.29,90.34 20.42,90.392 315.087,90.424 -13.168,90.461 22.832,90.461 31.832,90.461 34.832,90.461 37.832,90.461 40.832,90.461 43.832,90.461 46.832,90.461 49.832,90.461 52.832,90.461 79.832,90.461 82.832,90.461 100.832,90.461 103.832,90.461 148.832,90.461 154.832,90.461 219.832,90.461 222.832,90.461 313.7,90.65 -15.24,90.678 218.313,90.71 85.56,90.75 322.73,90.76 140.335,90.805 154.17,90.86 209.296,90.885 21.336,90.995 242.01,91.04 198.501,91.059 312.547,91.059 100.914,91.288 87.249,91.313 217.424,91.313 10.12,91.503 210.185,91.488 275.844,91.567 20.42,91.63 307.26,91.64 314.73,91.66 26.289,91.821 30.734,91.821 32.004,91.821 33.528,91.821 192.278,91.821 234.249,91.895 106.934,91.948 218.313,91.948 230.689,91.955 310.22,92.02 154.686,92.075 209.296,92.123 205.74,92.202 21.336,92.233 129.667,92.329 134.112,92.329 135.89,92.329 225.044,92.329 306.19,92.34 324.35,92.34 304.96,92.42 217.424,92.551 302.81,92.59 322.453,92.583 175.26,92.71 210.185,92.726 317.627,92.71 10.12,92.741 259.66,92.85 20.42,92.868 262.14,92.87 266.446,93.091 268.859,93.091 282.43,93.13 218.313,93.186 229.749,93.245 209.296,93.361 81.21,93.39 -11.668,93.461 24.332,93.461 48.332,93.461 51.332,93.461 54.332,93.461 57.332,93.461 63.332,93.461 102.332,93.461 105.332,93.461 120.332,93.461 126.332,93.461 129.332,93.461 135.001,93.461 141.332,93.461 144.332,93.461 159.332,93.461 221.332,93.461 236.332,93.461 240.332,93.461 243.332,93.461 258.332,93.461 10.764,93.472 12.002,93.472 13.24,93.472 14.478,93.472 15.716,93.472 16.954,93.472 18.192,93.472 19.429,93.472 21.336,93.472 133.223,93.472 136.779,93.472 261.112,93.472 230.719,93.545 123.79,93.61 140.335,93.599 234.079,93.665 314.65,93.69 9.398,93.726 308.61,93.726 217.424,93.789 252.984,93.853 282.89,93.85 210.185,93.964 56.388,93.98 110.998,93.98 119.126,93.98 162.306,93.98 175.387,93.98 321.183,93.98 68.453,94.107 228.219,94.107 10.162,94.234 11.399,94.234 12.637,94.234 13.875,94.234 15.113,94.234 16.351,94.234 17.589,94.234 18.827,94.234 20.42,94.234 225.22,94.239 294.132,94.361 229.889,94.385 218.313,94.424 66.294,94.488 243.27,94.57 209.296,94.599 58.674,94.615 231.149,94.645 198.12,94.742 287.274,94.742 290.703,94.742 317.246,94.742 9.22,94.85 126.37,94.86 129.21,94.9 229.079,94.945 133.985,94.996 135.89,94.996 271.526,94.996 322.326,94.996 217.424,95.027 219.71,95.123 210.185,95.201 -0.84,95.23 -12.319,95.25 87.503,95.25 89.154,95.25 98.298,95.275 117.602,95.352 112.649,95.377 230.729,95.395 234.219,95.475 211.805,95.517 213.043,95.517 214.281,95.517 215.519,95.517 216.757,95.517 104.54,95.6 292.76,95.69 130.683,95.758 14.732,95.885 15.621,95.885 65.659,95.899 54.864,96.012 172.593,96.012 75.819,96.266 77.089,96.266 78.359,96.266 236.982,96.266 239.903,96.266 289.433,96.266 125.8,96.34 133.223,96.393 176.276,96.393 -10.168,96.461 -1.168,96.461 40.832,96.461 43.832,96.461 46.832,96.461 49.832,96.461 52.832,96.461 58.832,96.461 61.832,96.461 73.832,96.461 79.832,96.461 82.832,96.461 100.832,96.461 103.832,96.461 124.832,96.461 127.832,96.461 136.832,96.461 148.832,96.461 151.832,96.461 157.832,96.461 219.832,96.461 225.832,96.461 228.832,96.461 231.832,96.461 234.832,96.461 241.832,96.461 244.832,96.461 319.832,96.461 19.685,96.52 135.001,96.52 154.178,96.52 321.437,96.647 -1.9,96.79 86.331,96.79 296.037,96.774 308.864,96.901 98.349,96.952 24.13,97.028 26.035,97.028 28.575,97.028 31.242,97.028 130.175,97.028 252.984,97.028 292.07,97.03 100.65,97.21 85.56,97.28 66.169,97.409 82.1,97.49 244.13,97.5 -7.874,97.536 55.372,97.536 102.997,97.536 148.832,97.62 68.834,97.663 172.593,97.663 19.685,97.79 58.293,97.79 174.904,97.79 210.82,97.79 213.868,97.79 217.424,97.79 220.726,97.79 236.982,97.79 300.609,97.79 303.022,97.79 239.903,97.917 0.52,97.95 56.642,98.044 67.691,98.044 74.295,98.171 79.883,98.171 87.757,98.171 89.154,98.171 103.9,98.24 257.683,98.298 260.191,98.298 262.7,98.298 265.208,98.298 267.716,98.298 93.547,98.48 94.86,98.48 96.173,98.48 97.487,98.48 43.485,98.501 1.23,98.56 47.854,98.552 100.965,98.806 197.866,98.806 19.685,98.933 148.832,99.16 316.484,99.314 39.751,99.441 49.176,99.441 -8.668,99.461 -5.668,99.461 0.332,99.461 6.332,99.461 9.332,99.461 42.332,99.461 51.332,99.461 54.332,99.461 57.332,99.461 63.332,99.461 66.332,99.461 81.332,99.461 93.332,99.461 282.332,99.461 297.332,99.461 318.332,99.461 203.2,99.495 122.936,99.568 126.111,99.568 129.692,99.568 140.462,99.568 47.6,99.695 87.757,99.695 103.378,99.695 298.704,99.695 85.56,99.82 201.873,99.822 43.967,99.924 258.191,99.949 9.75,100.07 79.883,100.076 204.724,100.076 3.251,100.152 139.53,100.19 75.819,100.203 77.089,100.203 78.359,100.203 169.919,100.203 172.161,100.203 19.685,100.33 134.239,100.33 135.509,100.33 5.156,100.355 141.351,100.457 272.288,100.54 46.711,100.584 144.87,100.614 147.54,100.614 8.39,100.67 44.983,100.66 275.844,100.711 277.876,100.711 2.108,100.908 7.23,100.93 87.757,100.965 313.563,100.965 201.168,101.092 61.087,101.219 62.611,101.219 53.772,101.295 -7.112,101.346 15.621,101.346 111.379,101.346 205.486,101.442 -3.175,101.473 5.867,101.498 10.08,101.58 115.57,101.6 163.957,101.6 316.23,101.6 258.191,101.854 8.99,101.91 108.712,101.981 300.609,101.981 40.81,102.12 98.425,102.108 100.838,102.108 16.383,102.235 -4.168,102.461 7.832,102.461 10.832,102.461 43.832,102.461 46.832,102.461 49.832,102.461 64.832,102.461 67.832,102.461 73.832,102.461 76.832,102.461 79.832,102.461 82.832,102.461 124.832,102.461 145.832,102.461 280.832,102.461 286.832,102.461 301.832,102.461 304.832,102.461 307.832,102.461 310.832,102.461 313.832,102.461 163.957,102.489 198.12,102.489 8.56,102.514 266.43,102.56 5.563,102.616 62.611,102.616 204.978,102.616 269.875,102.87 85.56,102.99 263.49,103.04 309.45,103.06 9.398,103.124 99.568,103.124 79.3,103.15 42.86,103.27 250.571,103.251 163.957,103.378 172.974,103.378 174.244,103.378 4.572,103.48 300.482,103.505 87.884,103.632 140.462,103.632 142.494,103.632 144.526,103.632 178.816,103.632 8.56,103.708 128.905,103.886 258.191,103.886 -0.889,104.013 53.772,104.013 62.611,104.013 65.659,104.013 68.707,104.013 295.275,104.044 299.062,104.044 90.17,104.14 125.349,104.14 -3.683,104.267 98.425,104.267 100.838,104.267 304.53,104.31 9.398,104.318 163.957,104.394 6.77,104.46 109.22,104.442 112.395,104.442 48.25,104.52 200.279,104.521 270.688,104.521 312.166,104.521 245.821,104.546 121.539,104.648 164.841,104.648 165.862,104.648 166.883,104.648 167.904,104.648 174.244,104.648 235.458,104.648 47.27,104.72 8.56,104.902 73.914,104.902 135.509,104.902 241.808,104.902 117.094,105.156 119.761,105.156 238.76,105.156 164.338,105.283 165.359,105.283 166.38,105.283 167.401,105.283 6.332,105.461 42.332,105.461 45.332,105.461 48.332,105.461 81.332,105.461 219.332,105.461 222.332,105.461 225.332,105.461 228.332,105.461 246.332,105.461 261.332,105.461 267.332,105.461 279.332,105.461 297.332,105.461 300.332,105.461 303.332,105.461 306.332,105.461 309.332,105.461 9.398,105.512 39.751,105.537 75.184,105.537 78.613,105.537 82.169,105.537 249.047,105.537 244.5,105.562 281.09,105.59 84.963,105.664 102.616,105.664 108.839,105.664 112.903,105.664 114.3,105.664 115.824,105.664 174.244,105.664 121.123,105.791 125.349,105.791 286.639,105.791 301.65,105.85 87.884,105.918 8.56,106.096 128.905,106.23 63.881,106.299 172.847,106.299 173.736,106.299 174.625,106.299 175.514,106.299 101.219,106.426 118.364,106.426 233.68,106.426 245.796,106.502 0,106.553 281.87,106.69 9.398,106.705 119.507,106.807 260.77,106.83 2.413,106.934 64.897,106.934 109.22,106.934 112.395,106.934 121.412,106.934 124.841,106.934 221.376,107.182 172.847,107.188 174.244,107.188 175.641,107.188 8.56,107.29 217.466,107.292 270.42,107.29 273.177,107.29 299.15,107.33 213.106,107.442 236.474,107.442 238.76,107.442 241.554,107.442 244.5,107.505 188.214,107.569 190.881,107.569 307.721,107.569 282.956,107.696 9.398,107.899 117.2,107.94 69.723,107.95 102.616,108.077 289.59,108.17 63.881,108.204 65.659,108.204 296.43,108.29 40.832,108.461 139.832,108.461 142.832,108.461 144.332,108.461 145.832,108.461 147.332,108.461 148.832,108.461 175.641,108.458 189.332,108.461 259.832,108.461 268.832,108.461 271.832,108.461 277.832,108.461 280.832,108.461 286.832,108.461 292.832,108.461 298.832,108.461 301.832,108.461 304.832,108.461 172.847,108.49 274.55,108.48 288.26,108.6 178.562,108.712 4.318,108.839 19.05,108.839 21.209,108.839 141.03,109.07 70.231,109.347 104.902,109.347 144.018,109.347 244.5,109.449 178.562,109.474 261.48,109.6 119.38,109.728 121.285,109.728 129.667,109.728 172.847,109.728 174.244,109.728 175.768,109.728 188.976,109.728 147.74,110 63.881,110.109 68.453,110.109 71.882,110.109 112.903,110.109 186.436,110.139 207.645,110.236 228.27,110.28 39.77,110.31 221.39,110.33 137.287,110.49 300.482,110.49 173.736,110.617 174.625,110.617 175.514,110.617 108.839,110.722 125.222,110.744 121.285,110.833 140.71,110.99 42.35,111.07 9.525,111.125 21.209,111.125 119.38,111.252 126.312,111.252 141.859,111.252 146.177,111.252 172.847,111.252 174.244,111.252 175.26,111.252 211.963,111.252 262.14,111.25 218.01,111.28 39.332,111.461 45.332,111.461 106.832,111.461 112.832,111.461 136.832,111.461 139.832,111.461 148.832,111.461 214.832,111.461 220.832,111.461 223.832,111.461 226.832,111.461 232.832,111.461 235.832,111.461 237.332,111.461 258.332,111.461 261.332,111.461 264.332,111.461 273.332,111.461 276.332,111.461 279.332,111.461 282.332,111.461 285.332,111.461 288.332,111.461 291.332,111.461 294.332,111.461 297.332,111.461 14.478,111.633 52.959,111.633 286.69,111.74 296.037,111.887 12.446,112.014 274.34,112.58 18.034,112.649 245.542,112.7 251.511,112.7 248.717,112.725 279.58,112.78 51.308,113.03 291.211,113.03 70.76,113.06 71.75,113.07 16.383,113.157 66.51,113.34 68.29,113.45 64.92,113.59 289.179,113.792 71.74,114.01 70.77,114.02 19.558,114.046 67.43,114.26 58.832,114.461 61.832,114.461 64.832,114.461 72.332,114.461 73.832,114.461 76.832,114.461 78.332,114.461 81.332,114.461 84.332,114.461